# Altium PCB Fri3d_2026_DJ_01.PcbDoc (part 1 of 2)
Units mm, origin at the board's own origin, x right, y up, seen from the top; angles counter-clockwise.
Board outline 165 x 74 mm, 2 copper layers (Top Layer, Bottom Layer), stack 1.571 mm thick; 65 components, 57 nets, 282 pads, 145 vias.
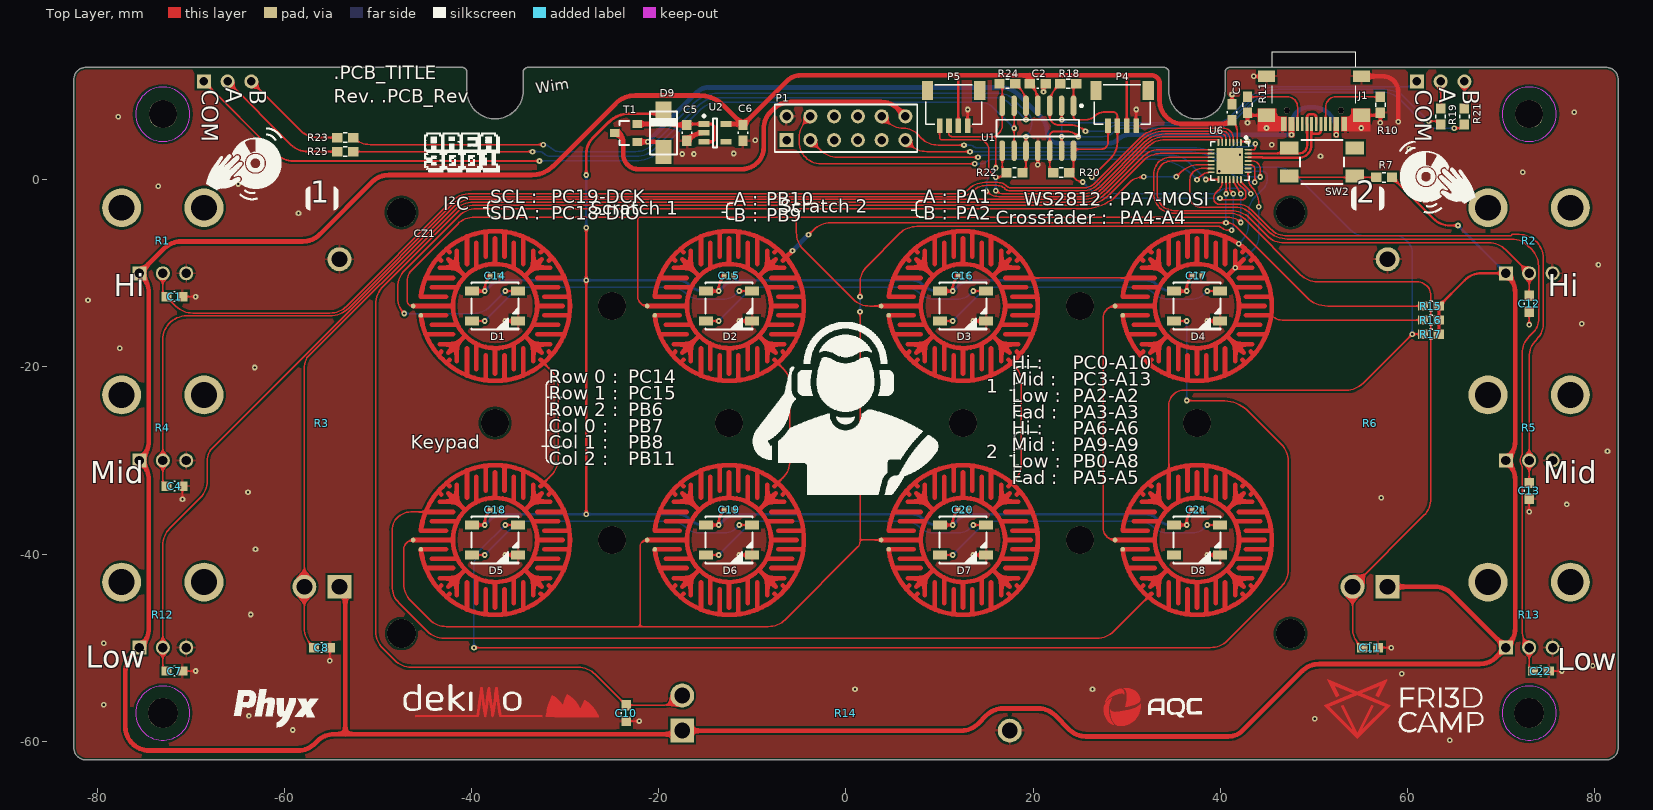
[diagram p0: Top Layer view]
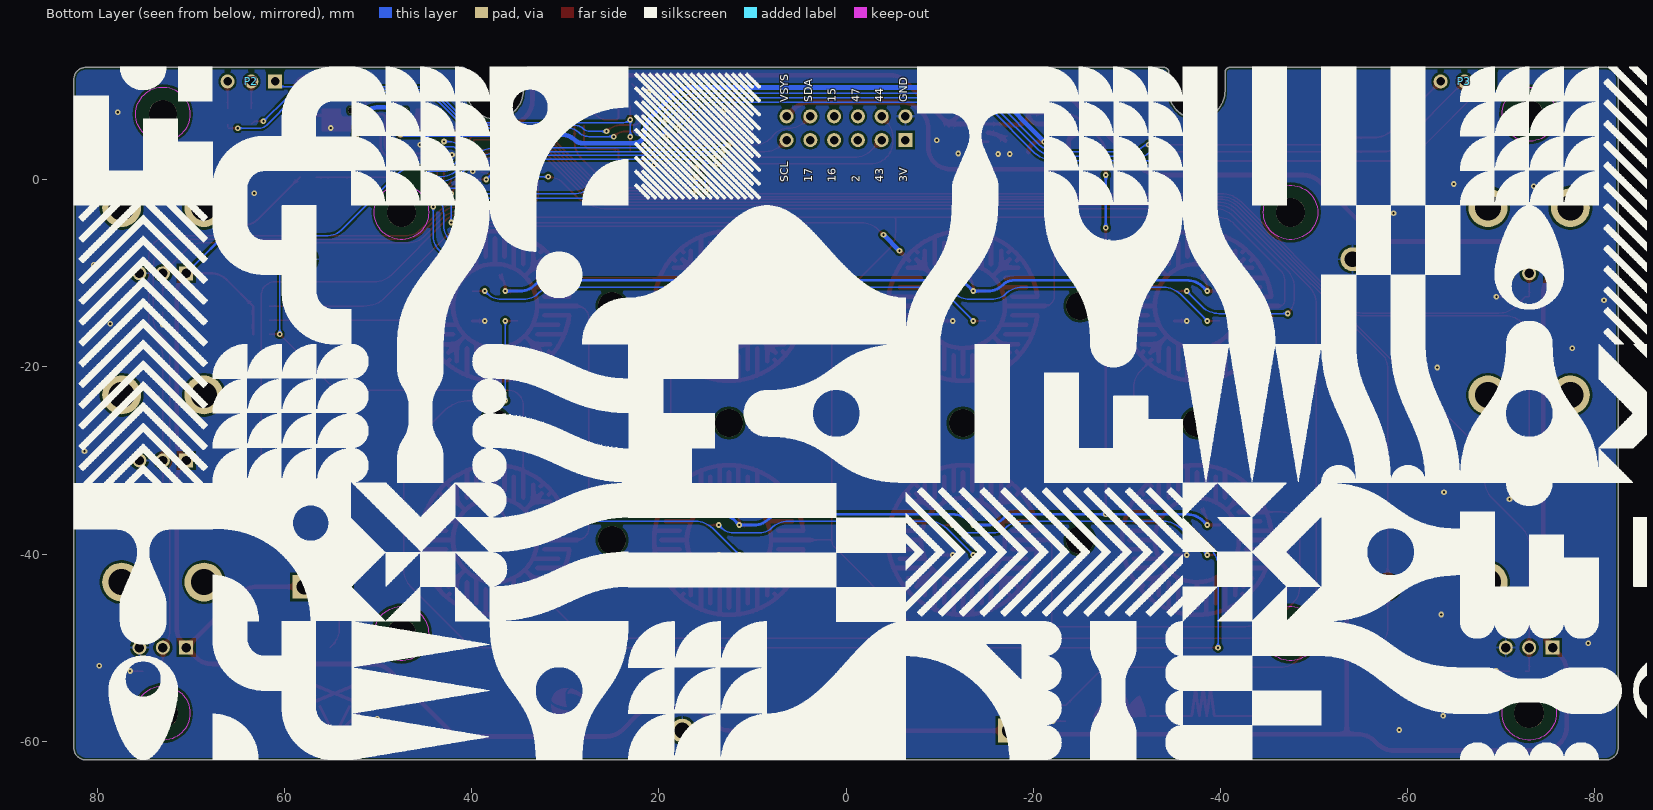
[diagram p1: Bottom Layer view, seen from below]

## Layer stack, top to bottom
Top Solder: solder mask 0.0102, Solder Resist, Dk 3.5
Top Layer: signal copper 0.0356
Dielectric1: core 1.5, FR-4, Dk 4.8
Bottom Layer: signal copper 0.0356
Bottom Solder: solder mask 0.0102, Solder Resist, Dk 3.5

## Board outline
-82.5,-60.73 ccw(c-81.23,-60.73) -81.23,-62 81.23,-62 ccw(c81.23,-60.73) 82.5,-60.73 82.5,10.73 ccw(c81.23,10.73) 81.23,12 41.022,12 ccw(c41.022,11.478) 40.5,11.478 40.5,9.5 cw(c37.5,9.5) 34.5,9.5 34.5,11.478 ccw(c33.978,11.478) 33.978,12 -33.978,12 ccw(c-33.978,11.478) -34.5,11.478 -34.5,9.5 cw(c-37.5,9.5) -40.5,9.5 -40.5,11.478 ccw(c-41.022,11.478) -41.022,12 -81.23,12 ccw(c-81.23,10.73) -82.5,10.73

## Design rules (kind name [scope] priority, off if disabled: settings)
BoardOutlineClearance [NOT OnLayer('Top Overlay') AND NOT OnLayer('Bottom Overlay') AND NOT IsText AND NOT HasFootprint('MicroBIT_V2_PCB') AND NOT IsKeepOut] p1: gap=0.5 ignorepadtopadclearanceinfootprint=FALSE except(0: Arc-SplitContinuation Track-SplitContinuation SMDPad-SplitContinuation THPad-SplitContinuation Via-SplitContinuation Fill-SplitContinuation Poly-SplitContinuation Region-SplitContinuation Text-SplitContinuation; 0.15: SMDPad-OutlineEdge THPad-OutlineEdge; 0.25: Poly-OutlineEdge Region-OutlineEdge; 0.3: Arc-OutlineEdge Track-OutlineEdge; 0.4: Via-OutlineEdge)
Clearance [All] p1: gap=0.15 ignorepadtopadclearanceinfootprint=FALSE except(0: Arc-Hole Track-Hole SMDPad-Hole THPad-Hole Via-Hole Fill-Hole Region-Hole Text-Hole; 0.25: Arc-Poly Track-Poly SMDPad-Poly THPad-Poly Via-Poly Fill-Poly Poly-Hole; 1.1: Poly-Poly)
ComponentClearance ComponentClearance_TP [HasFootprint('TP_2x3mm')] p1: gap=0 collisioncheckmode=3 verticalgap=0 showdistances=FALSE
ComponentClearance ComponentClearance_CO2 [InComponent('P5') OR InComponent('P8') OR InComponent('MOD2') vs InComponent('P5') OR InComponent('P8') OR InComponent('MOD2')] p2: gap=0 collisioncheckmode=3 verticalgap=0 showdistances=FALSE
ComponentClearance ComponentClearance_BAT [InComponent('P4')  OR InComponent('BAT1') OR InComponent('R27') vs InComponent('P4')  OR InComponent('BAT1') OR InComponent('R27')] p3: gap=0 collisioncheckmode=3 verticalgap=0 showdistances=FALSE
ComponentClearance ComponentClearance_R31-T5 [InComponent('R31') OR InComponent('T5') vs InComponent('R31') OR InComponent('T5')] p4: gap=0 collisioncheckmode=3 verticalgap=0 showdistances=FALSE
ComponentClearance "ComponentClearance_Selection resistors" [InComponent('R45') OR InComponent('R44') OR InComponent('R33') OR InComponent('R34') vs InComponent('R45') OR InComponent('R44') OR InComponent('R33') OR InComponent('R34')] p5: gap=0 collisioncheckmode=3 verticalgap=0 showdistances=FALSE
ComponentClearance ComponentClearance_T9-R4 [InComponent('R4') OR InComponent('T9') vs InComponent('R4') OR InComponent('T9')] p6: gap=0 collisioncheckmode=3 verticalgap=0 showdistances=FALSE
ComponentClearance ComponentClearance_IR [InComponent('D6') OR InComponent('D15') vs InComponent('D6') OR InComponent('D15')] p7: gap=0 collisioncheckmode=3 verticalgap=0 showdistances=FALSE
ComponentClearance [All] p8: gap=0.25 collisioncheckmode=3 verticalgap=0.25 showdistances=FALSE
DiffPairsRouting [All] p1: maxlimit=0.254 minlimit=0.2 mostfreqgap=0.2 toplayer_minwidth=0.25 toplayer_maxwidth=0.5 toplayer_prefwidth=0.25 bottomlayer_minwidth=0.25 bottomlayer_maxwidth=0.5 bottomlayer_prefwidth=0.25 maxuncoupledlength=12.7
HoleSize [All] p1: absolutevalues=TRUE maxlimit=20 minlimit=0.025 maxpercent=80.000 minpercent=20.000
NetAntennae [not InComponent('CZ1')] p1: netantennaetolerance=0
PolygonConnect PolygonConnect_VIA [IsVia] p1: connectstyle=Direct reliefconductorwidth=0.254 reliefentries=4 polygonreliefangle="90 Angle" airgapwidth=0.254
PolygonConnect [All] p2: connectstyle=Relief reliefconductorwidth=0.254 reliefentries=4 polygonreliefangle="90 Angle" airgapwidth=0.254
RoutingVias [All] p1: holewidth=0.3 width=0.7 viastyle="Through Hole" minholewidth=0.3 minwidth=0.2 maxholewidth=0.6 maxwidth=1.2
SilkToSolderMaskClearance SilkscreenOverComponentPads [IsPad] p1: minsilkscreentomaskgap=0.254 clearancetoexposedcopper=TRUE
SolderMaskExpansion [All] p1: expansion=0.05 istentingtop=FALSE
SupplyNets "Schematic Supply Nets_5" [InNet('VDJ')] p1: voltage=0.000
SupplyNets "Schematic Supply Nets" [InNet('+3V3')] p2: voltage=0.000
SupplyNets "Schematic Supply Nets_4" [InNet('VUSB')] p3: voltage=0.000
SupplyNets "Schematic Supply Nets_3" [InNet('VSYS')] p4: voltage=0.000
SupplyNets "Schematic Supply Nets_2" [InNet('GND')] p5: voltage=0.000
SupplyNets "Schematic Supply Nets_1" [InNet('3V3_AUX')] p6: voltage=0.000
Width [All] p1: maxlimit=5 minlimit=0.15 preferedwidth=0.25
25 further rules are at their usual default settings.

## Classes and differential pairs
net class POWER: 3V3_AUX GND VDJ VSYS VUSB
net class 90r: USB.D_n USB.D_p
differential pair USB.D: +USB.D_p -USB.D_n

## Components (designator, comment, footprint, x,y, rotation, side; value= is the part's Value field where it differs from the comment)
C1 "" C0603_N -71.75,-12.5 r0 top value="100pF 50V"
C2 "" C0603_N 20.5,10.25 r0 top value="100nF 16V"
C4 "" C0603_N -71.75,-32.75 r0 top value="100pF 50V"
C5 "" C0603_N -17,5 r270 top value="1uF 16V"
C6 "" C0603_N -11,5 r270 top value="1uF 16V"
C7 "" C0603_N -71.75,-52.5 r0 top value="100pF 50V"
C8 "" C0603_N -56,-50 r0 top value="100pF 50V"
C9 "" C0603_N 41.25,7.2 r90 top value="100nF 16V"
C10 "" C0603_N -23.5,-57 r270 top value="100pF 50V"
C11 "" C0603_N 56,-50 r0 top value="100pF 50V"
C12 "" C0603_N 73,-13.25 r270 top value="100pF 50V"
C13 "" C0603_N 73,-33.25 r270 top value="100pF 50V"
C14 "" C0402 -37.5,-10.25 r0 top value="1uF 10V"
C15 "" C0402 -12.5,-10.25 r0 top value="1uF 10V"
C16 "" C0402 12.5,-10.25 r0 top value="1uF 10V"
C17 "" C0402 37.5,-10.25 r0 top value="1uF 10V"
C18 "" C0402 -37.5,-35.25 r0 top value="1uF 10V"
C19 "" C0402 -12.5,-35.25 r0 top value="1uF 10V"
C20 "" C0402 12.5,-35.25 r0 top value="1uF 10V"
C21 "" C0402 37.5,-35.25 r0 top value="1uF 10V"
C22 "" C0603_N 74.25,-52.5 r0 top value="100pF 50V"
CZ1 "Campzone 2020 2x4 silicone keypad" CZ20_2x4 37.5,-38.5 r180 top locked value="CZ20 2x4"
D1 "WS2812 based digital RGB LED 5050 White package reduced current" LED_5050_WS2812B_WHITE -37.5,-13.5 r0 top value="WS218C 5050 WH"
D2 "WS2812 based digital RGB LED 5050 White package reduced current" LED_5050_WS2812B_WHITE -12.5,-13.5 r0 top value="WS218C 5050 WH"
D3 "WS2812 based digital RGB LED 5050 White package reduced current" LED_5050_WS2812B_WHITE 12.5,-13.5 r0 top value="WS218C 5050 WH"
D4 "WS2812 based digital RGB LED 5050 White package reduced current" LED_5050_WS2812B_WHITE 37.5,-13.5 r0 top value="WS218C 5050 WH"
D5 "WS2812 based digital RGB LED 5050 White package reduced current" LED_5050_WS2812B_WHITE -37.5,-38.5 r0 top value="WS218C 5050 WH"
D6 "WS2812 based digital RGB LED 5050 White package reduced current" LED_5050_WS2812B_WHITE -12.5,-38.5 r0 top value="WS218C 5050 WH"
D7 "WS2812 based digital RGB LED 5050 White package reduced current" LED_5050_WS2812B_WHITE 12.5,-38.5 r0 top value="WS218C 5050 WH"
D8 "WS2812 based digital RGB LED 5050 White package reduced current" LED_5050_WS2812B_WHITE 37.5,-38.5 r0 top value="WS218C 5050 WH"
D9 "40V 2A 550mV@2A DO-214 Schottky" DO-214AC_AC -19.5,5 r90 top value=SS24-MS
J1 "USB 2.0 C Reversible Receptacle Horizontal full SMD" XUNPU-TYPEC-304S-ACP16 50,8.5 r180 top value=TYPEC-304S-ACP16
P1 "Header 6X2" HDR2X6 -6.35,4.23 r0 top locked
P2 "Header 3" HDR1X3 61,10.5 r0 bottom
P3 "Header 3" HDR1X3 -68.62,10.5 r0 bottom
P4 "Header 1.0mm RA Shrouded 4" WE_665104131822 31,5.75 r180 top value=665104131822
P5 "Header 1.0mm RA Shrouded 4" WE_665104131822 13,5.75 r180 top value=665104131822
R1 "10kΩ Rotary Potentiometers" ALPS_RK09K1130AAU -73,-3 r0 top value=RK09K1130AAU
R2 "10kΩ Rotary Potentiometers" ALPS_RK09K1130AAU 73,-3 r0 top value=RK09K1130AAU
R3 "50kΩ Slide Potentiometers" ALPS_RS301111J00R -56,-26 r90 top value=RS301111J00R
R4 "10kΩ Rotary Potentiometers" ALPS_RK09K1130AAU -73,-23 r0 top value=RK09K1130AAU
R5 "10kΩ Rotary Potentiometers" ALPS_RK09K1130AAU 73,-23 r0 top value=RK09K1130AAU
R6 "50kΩ Slide Potentiometers" ALPS_RS301111J00R 56,-26 r90 top value=RS301111J00R
R7 "" R0603_N 57.5,0.25 r180 top value=10K
R10 "" R0603_N 57.1,8 r270 top value=5K1
R11 "" R0603_N 42.9,8 r270 top value=5K1
R12 "10kΩ Rotary Potentiometers" ALPS_RK09K1130AAU -73,-43 r0 top value=RK09K1130AAU
R13 "10kΩ Rotary Potentiometers" ALPS_RK09K1130AAU 73,-43 r0 top value=RK09K1130AAU
R14 "50kΩ Slide Potentiometers" ALPS_RS301111J00R 0,-57 r0 top value=RS301111J00R
R15 "" R0603_N 62.5,-13.5 r180 top value=10K
R16 "" R0603_N 62.5,-15 r180 top value=10K
R17 "" R0603_N 62.5,-16.5 r180 top value=10K
R18 "RESISTOR" R0603_N 23.75,10.25 r180 top value=47K
R19 "" R0603_N 63.54,6.75 r90 top value=1K
R20 "RESISTOR" R0603_N 23,0.75 r180 top value=47K
R21 "" R0603_N 66.08,6.75 r90 top value=1K
R22 "RESISTOR" R0603_N 18,0.75 r0 top value=47K
R23 "" R0603_N -53.5,4.5 r180 top value=1K
R24 "RESISTOR" R0603_N 17.25,10.25 r0 top value=47K
R25 "" R0603_N -53.5,3 r180 top value=1K
SW2 "4.5x4.5mm tact SMD H3,8mm" WE_430181038816 50.85,1.9 r180 top value=430181038816
T1 "-2.3A -20V P-Ch MOSFET Vgs -1V" SOT23-3 -23.5,5 r90 top value=SL2301
U1 "Quad, 30-V, 1-MHz operational amplifier" SOIC_N_14 20.5,5.5 r270 top value=LM324
U2 "3V3 LDO 300mA 150mV" SOT23-5 -14,5 r0 top value=RT9078-33GJ5
U6 "WCH CH32X035G8U6 QFN28 RISC-V 32-bit MCU, 62KB Flash, 10KB RAM, USB PD" QFN_28_4.0x4.0_P0.4 41,2 r270 top value=CH32X035G8U6

## Footprints (in the part's own frame and the unit in brackets; to place one, negate y for a bottom-side part, rotate by r counter-clockwise, add the part's x,y. Pads: shape width x height; smd on the part's side, far side on the other; paste and mask are expansions set on the pad)
ALPS_RK09K1130AAU [mm] "ALPS RK09K1130AAU variable resistor"
  rect 1.5x1.5 hole 1: 1(-2.5,-7)
  round 1.5 hole 1: 2(0,-7) 3(2.5,-7)
  round 4.155 hole 2.77: MH(-4.4,0) MH(4.4,0)
  body extent -5.7,-7.15 5.7,5.5, height 19.95
ALPS_RS301111J00R [mm] "ALPS RS301111J00R variable resistor"
  rect 2.55x2.55 hole 1.7: 1(-17.5,-1.875)
  round 2.55 hole 1.7: 2(-17.5,1.875) 3(17.5,-1.875)
  body extent -22.5,-4 22.5,4, height 12.7
C0402 [mm]
  rect 0.5x0.6 smd: 1(-0.5,0) 2(0.5,0)
  silkscreen extent -0.1,-0.3 0.1,0.3, body extent -0.5,-0.25 0.5,0.25, height 0.5
C0603_N [mm] "Low density"
  rect 1.1x1 smd: 1(-0.85,0) 2(0.85,0)
  silkscreen extent -0.1,-0.5 0.1,0.5, body extent -0.8,-0.4 0.8,0.4, height 0.3
CZ20_2x4 [mm] "CampZone 2020 Keypad"
  round 3.1 hole 3.1 unplated: 0(-10,10) 0(-10,-35) 0(85,10) 0(85,-35)
  round 3 hole 3 unplated: 0(0,-12.5) 0(12.5,0) 0(12.5,-25) 0(25,-12.5) 0(50,-12.5) 0(62.5,0) 0(62.5,-25) 0(75,-12.5)
  round 0.5 smd paste-2539.97 mask+0.102: 1(8.75,0) 2(7.927,1) 3(33.75,0) 4(32.927,1) 5(58.75,0) 6(57.927,1) 7(83.75,0) 8(82.927,1) 9(8.75,-25) 10(7.927,-24) 11(33.75,-25) 12(32.927,-24) 13(58.75,-25) 14(57.927,-24) 15(83.75,-25) 16(82.927,-24)
  Top Layer circle w0.5: c0,0 r4.5
  Top Layer circle w0.5: c25,0 r4.5
  Top Layer circle w0.5: c50,0 r4.5
  Top Layer circle w0.5: c75,0 r4.5
  Top Layer circle w0.5: c0,-25 r4.5
  Top Layer circle w0.5: c25,-25 r4.5
  Top Layer circle w0.5: c50,-25 r4.5
  Top Layer circle w0.5: c75,-25 r4.5
  Top Layer lines w0.5: 83.75,0 79.5,0 ; 83.75,-25 79.5,-25 ; 82.937,1.001 ccw(c75,0) 82.937,-1.001 ; 82.937,-23.999 ccw(c75,-25) 82.937,-26.001 ; 82.927,1 80.25,1 ; 82.927,-1 80.25,-1 ; 82.927,-24 80.25,-24 ; 82.927,-26 80.25,-26 ; 82.425,3 79.5,3 ; 82.425,-3 79.5,-3 ; 82.425,-22 79.5,-22 ; 82.425,-28 79.5,-28 ; 81.75,2 79.041,2 ; 81.75,-2 79.041,-2 ; 81.75,-23 79.041,-23 ; 81.75,-27 79.041,-27 ; 81.083,5.195 80.75,4.862 ; 81.083,-5.195 80.75,-4.862 ; 81.083,-19.805 80.75,-20.138 ; 81.083,-30.195 80.75,-29.862 ; 80.909,4.091 79.091,4.091 79.091,5.909 ; 80.909,-4.091 79.091,-4.091 79.091,-5.909 ; 80.909,-20.909 79.091,-20.909 79.091,-19.091 ; 80.909,-29.091 79.091,-29.091 79.091,-30.909 ; 80.195,6.083 79.862,5.75 ; 80.195,-6.083 79.862,-5.75 ; 80.195,-18.917 79.862,-19.25 ; 80.195,-31.083 79.862,-30.75 ; 80,5 78.182,3.182 ; 80,-5 78.182,-3.182 ; 80,-20 78.182,-21.818 ; 80,-30 78.182,-28.182 ; 78,7.425 78,4.5 ; 78,-4.5 78,-7.425 ; 78,-17.575 78,-20.5 ; 78,-29.5 78,-32.425 ; 77,6.75 77,4.041 ; 77,-4.041 77,-6.75 ; 77,-18.25 77,-20.959 ; 77,-29.041 77,-31.75 ; 76,7.927 76,5.25 ; 76,-5.25 76,-7.927 ; 76,-17.073 76,-19.75 ; 76,-30.25 76,-32.927 ; 75,7.25 75,4.5 ; 75,-4.5 75,-7.25 ; 75,-17.75 75,-20.5 ; 75,-29.5 75,-32.25 ; 74,7.927 74,5.25 ; 74,-5.25 74,-7.927 ; 74,-17.073 74,-19.75 ; 74,-30.25 74,-32.927 ; 73,6.75 73,4.041 ; 73,-4.041 73,-6.75 ; 73,-18.25 73,-20.959 ; 73,-29.041 73,-31.75 ; 72,7.425 72,4.5 ; 72,-4.5 72,-7.425 ; 72,-17.575 72,-20.5 ; 72,-29.5 72,-32.425 ; 71.818,3.182 70,5 ; 71.818,-3.182 70,-5 ; 71.818,-21.818 70,-20 ; 71.818,-28.182 70,-30 ; 70.959,2 68.25,2 ; 70.959,-2 68.25,-2 ; 70.959,-23 68.25,-23 ; 70.959,-27 68.25,-27 ; 70.909,5.909 70.909,4.091 69.091,4.091 ; 70.909,-5.909 70.909,-4.091 69.091,-4.091 ; 70.909,-19.091 70.909,-20.909 69.091,-20.909 ; 70.909,-30.909 70.909,-29.091 69.091,-29.091 ; 70.5,3 67.575,3 ; 70.5,0 67.75,0 ; 70.5,-3 67.575,-3 ; 70.5,-22 67.575,-22 ; 70.5,-25 67.75,-25 ; 70.5,-28 67.575,-28 ; 70.138,5.75 69.805,6.083 ; 70.138,-5.75 69.805,-6.083 ; 70.138,-19.25 69.805,-18.917 ; 70.138,-30.75 69.805,-31.083 ; 69.75,1 67.073,1 ; 69.75,-1 67.073,-1 ; 69.75,-24 67.073,-24 ; 69.75,-26 67.073,-26 ; 69.25,4.862 68.917,5.195 ; 69.25,-4.862 68.917,-5.195 ; 69.25,-20.138 68.917,-19.805 ; 69.25,-29.862 68.917,-30.195 ; 58.75,0 54.5,0 ; 58.75,-25 54.5,-25 ; 57.937,1.001 ccw(c50,0) 57.937,-1.001 ; 57.937,-23.999 ccw(c50,-25) 57.937,-26.001 ; 57.927,1 55.25,1 ; 57.927,-1 55.25,-1 ; 57.927,-24 55.25,-24 ; 57.927,-26 55.25,-26 ; 57.425,3 54.5,3 ; 57.425,-3 54.5,-3 ; 57.425,-22 54.5,-22 ; 57.425,-28 54.5,-28 ; 56.75,2 54.041,2 ; 56.75,-2 54.041,-2 ; 56.75,-23 54.041,-23 ; 56.75,-27 54.041,-27 ; 56.083,5.195 55.75,4.862 ; 56.083,-5.195 55.75,-4.862 ; 56.083,-19.805 55.75,-20.138 ; 56.083,-30.195 55.75,-29.862 ; 55.909,4.091 54.091,4.091 54.091,5.909 ; 55.909,-4.091 54.091,-4.091 54.091,-5.909 ; 55.909,-20.909 54.091,-20.909 54.091,-19.091 ; 55.909,-29.091 54.091,-29.091 54.091,-30.909 ; 55.195,6.083 54.862,5.75 ; 55.195,-6.083 54.862,-5.75 ; 55.195,-18.917 54.862,-19.25 ; 55.195,-31.083 54.862,-30.75 ; 55,5 53.182,3.182 ; 55,-5 53.182,-3.182 ; 55,-20 53.182,-21.818 ; 55,-30 53.182,-28.182 ; 53,7.425 53,4.5 ; 53,-4.5 53,-7.425 ; 53,-17.575 53,-20.5 ; 53,-29.5 53,-32.425 ; 52,6.75 52,4.041 ; 52,-4.041 52,-6.75 ; 52,-18.25 52,-20.959 ; 52,-29.041 52,-31.75 ; 51,7.927 51,5.25 ; 51,-5.25 51,-7.927 ; 51,-17.073 51,-19.75 ; 51,-30.25 51,-32.927 ; 50,7.25 50,4.5 ; 50,-4.5 50,-7.25 ; 50,-17.75 50,-20.5 ; 50,-29.5 50,-32.25 ; 49,7.927 49,5.25 ; 49,-5.25 49,-7.927 ; 49,-17.073 49,-19.75 ; 49,-30.25 49,-32.927 ; 48,6.75 48,4.041 ; 48,-4.041 48,-6.75 ; 48,-18.25 48,-20.959 ; 48,-29.041 48,-31.75 ; 47,7.425 47,4.5 ; 47,-4.5 47,-7.425 ; 47,-17.575 47,-20.5 ; 47,-29.5 47,-32.425 ; 46.818,3.182 45,5 ; 46.818,-3.182 45,-5 ; 46.818,-21.818 45,-20 ; 46.818,-28.182 45,-30 ; 45.959,2 43.25,2 ; 45.959,-2 43.25,-2 ; 45.959,-23 43.25,-23 ; 45.959,-27 43.25,-27 ; 45.909,5.909 45.909,4.091 44.091,4.091 ; 45.909,-5.909 45.909,-4.091 44.091,-4.091 ; 45.909,-19.091 45.909,-20.909 44.091,-20.909 ; 45.909,-30.909 45.909,-29.091 44.091,-29.091 ; 45.5,3 42.575,3 ; 45.5,0 42.75,0 ; 45.5,-3 42.575,-3 ; 45.5,-22 42.575,-22 ; 45.5,-25 42.75,-25 ; 45.5,-28 42.575,-28 ; 45.138,5.75 44.805,6.083 ; 45.138,-5.75 44.805,-6.083 ; 45.138,-19.25 44.805,-18.917 ; 45.138,-30.75 44.805,-31.083 ; 44.75,1 42.073,1 ; 44.75,-1 42.073,-1 ; 44.75,-24 42.073,-24 ; 44.75,-26 42.073,-26 ; 44.25,4.862 43.917,5.195 ; 44.25,-4.862 43.917,-5.195 ; 44.25,-20.138 43.917,-19.805 ; 44.25,-29.862 43.917,-30.195 ; 33.75,0 29.5,0 ; 33.75,-25 29.5,-25 ; 32.937,1.001 ccw(c25,0) 32.416,3 ; 32.937,-1.001 cw(c25,0) 32.416,-3 ; 32.937,-23.999 ccw(c25,-25) 32.416,-22 ; 32.937,-26.001 cw(c25,-25) 32.416,-28 ; 32.927,1 30.25,1 ; 32.927,-1 30.25,-1 ; 32.927,-24 30.25,-24 ; 32.927,-26 30.25,-26 ; 32.425,3 32.416,3 ; 32.425,-3 32.416,-3 ; 32.425,-22 32.416,-22 ; 32.425,-28 32.416,-28 ; 31.75,2 29.041,2 ; 31.75,-2 29.041,-2 ; 31.75,-23 29.041,-23 ; 31.75,-27 29.041,-27 ; 30.909,4.091 29.091,4.091 29.091,5.909 ; 30.909,-4.091 29.091,-4.091 29.091,-5.909 ; 30.909,-20.909 29.091,-20.909 29.091,-19.091 ; 30.909,-29.091 29.091,-29.091 29.091,-30.909 ; 30.75,4.862 31.083,5.195 ; 30.75,-4.862 31.083,-5.195 ; 30.75,-20.138 31.083,-19.805 ; 30.75,-29.862 31.083,-30.195 ; 30,5 28.182,3.182 ; 30,-5 28.182,-3.182 ; 30,-20 28.182,-21.818 ; 30,-30 28.182,-28.182 ; 29.862,5.75 30.195,6.083 ; 29.862,-5.75 30.195,-6.083 ; 29.862,-19.25 30.195,-18.917 ; 29.862,-30.75 30.195,-31.083 ; 29.5,3 32.416,3 ; 29.5,-3 32.416,-3 ; 29.5,-22 32.416,-22 ; 29.5,-28 32.416,-28 ; 28,7.425 28,7.416 ; 28,4.5 28,7.416 ; 28,-4.5 28,-7.416 ; 28,-7.425 28,-7.416 ; 28,-17.575 28,-17.584 ; 28,-20.5 28,-17.584 ; 28,-29.5 28,-32.416 ; 28,-32.425 28,-32.416 ; 27,6.75 27,4.041 ; 27,-4.041 27,-6.75 ; 27,-18.25 27,-20.959 ; 27,-29.041 27,-31.75 ; 26,7.927 26,5.25 ; 26,-5.25 26,-7.927 ; 26,-17.073 26,-19.75 ; 26,-30.25 26,-32.927 ; 25,7.25 25,4.5 ; 25,-4.5 25,-7.25 ; 25,-17.75 25,-20.5 ; 25,-29.5 25,-32.25 ; 24,7.927 24,5.25 ; 24,-5.25 24,-7.927 ; 24,-17.073 24,-19.75 ; 24,-30.25 24,-32.927 ; 23,6.75 23,4.041 ; 23,-4.041 23,-6.75 ; 23,-18.25 23,-20.959 ; 23,-29.041 23,-31.75 ; 22,7.425 22,7.416 ; 22,4.5 22,7.416 ; 22,-4.5 22,-7.416 ; 22,-7.425 22,-7.416 ; 22,-17.575 22,-17.584 ; 22,-20.5 22,-17.584 ; 22,-29.5 22,-32.416 ; 22,-32.425 22,-32.416 ; 21.818,3.182 20,5 ; 21.818,-3.182 20,-5 ; 21.818,-21.818 20,-20 ; 21.818,-28.182 20,-30 ; 20.959,2 18.25,2 ; 20.959,-2 18.25,-2 ; 20.959,-23 18.25,-23 ; 20.959,-27 18.25,-27 ; 20.909,5.909 20.909,4.091 19.091,4.091 ; 20.909,-5.909 20.909,-4.091 19.091,-4.091 ; 20.909,-19.091 20.909,-20.909 19.091,-20.909 ; 20.909,-30.909 20.909,-29.091 19.091,-29.091 ; 20.5,3 17.584,3 ; 20.5,0 17.75,0 ; 20.5,-3 17.584,-3 ; 20.5,-22 17.584,-22 ; 20.5,-25 17.75,-25 ; 20.5,-28 17.584,-28 ; 20.138,5.75 19.805,6.083 ; 20.138,-5.75 19.805,-6.083 ; 20.138,-19.25 19.805,-18.917 ; 20.138,-30.75 19.805,-31.083 ; 19.75,1 17.073,1 ; 19.75,-1 17.073,-1 ; 19.75,-24 17.073,-24 ; 19.75,-26 17.073,-26 ; 19.25,4.862 18.917,5.195 ; 19.25,-4.862 18.917,-5.195 ; 19.25,-20.138 18.917,-19.805 ; 19.25,-29.862 18.917,-30.195 ; 17.575,3 17.584,3 ; 17.575,-3 17.584,-3 ; 17.575,-22 17.584,-22 ; 17.575,-28 17.584,-28 ; 8.75,0 4.5,0 ; 8.75,-25 4.5,-25 ; 7.937,1.001 ccw(c0,0) 7.937,-1.001 ; 7.937,-23.999 ccw(c0,-25) 7.416,-22 ; 7.937,-26.001 cw(c0,-25) 7.416,-28 ; 7.927,1 5.25,1 ; 7.927,-1 5.25,-1 ; 7.927,-24 5.25,-24 ; 7.927,-26 5.25,-26 ; 7.425,3 4.5,3 ; 7.425,-3 4.5,-3 ; 7.425,-22 7.416,-22 ; 7.425,-28 7.416,-28 ; 6.75,2 4.041,2 ; 6.75,-2 4.041,-2 ; 6.75,-23 4.041,-23 ; 6.75,-27 4.041,-27 ; 6.083,5.195 5.75,4.862 ; 6.083,-5.195 5.75,-4.862 ; 5.909,4.091 4.091,4.091 4.091,5.909 ; 5.909,-4.091 4.091,-4.091 4.091,-5.909 ; 5.909,-20.909 4.091,-20.909 4.091,-19.091 ; 5.909,-29.091 4.091,-29.091 4.091,-30.909 ; 5.75,-20.138 6.083,-19.805 ; 5.75,-29.862 6.083,-30.195 ; 5.195,6.083 4.862,5.75 ; 5.195,-6.083 4.862,-5.75 ; 5,5 3.182,3.182 ; 5,-5 3.182,-3.182 ; 5,-20 3.182,-21.818 ; 5,-30 3.182,-28.182 ; 4.862,-19.25 5.195,-18.917 ; 4.862,-30.75 5.195,-31.083 ; 4.5,-22 7.416,-22 ; 4.5,-28 7.416,-28 ; 3,7.425 3,4.5 ; 3,-4.5 3,-7.425 ; 3,-17.575 3,-17.584 ; 3,-20.5 3,-17.584 ; 3,-29.5 3,-32.416 ; 3,-32.425 3,-32.416 ; 2,6.75 2,4.041 ; 2,-4.041 2,-6.75 ; 2,-18.25 2,-20.959 ; 2,-29.041 2,-31.75 ; 1,7.927 1,5.25 ; 1,-5.25 1,-7.927 ; 1,-17.073 1,-19.75 ; 1,-30.25 1,-32.927 ; 0,7.25 0,4.5 ; 0,-4.5 0,-7.25 ; 0,-17.75 0,-20.5 ; 0,-29.5 0,-32.25 ; -1,7.927 -1,5.25 ; -1,-5.25 -1,-7.927 ; -1,-17.073 -1,-19.75 ; -1,-30.25 -1,-32.927 ; -2,6.75 -2,4.041 ; -2,-4.041 -2,-6.75 ; -2,-18.25 -2,-20.959 ; -2,-29.041 -2,-31.75 ; -3,7.425 -3,4.5 ; -3,-4.5 -3,-7.425 ; -3,-17.575 -3,-17.584 ; -3,-20.5 -3,-17.584 ; -3,-29.5 -3,-32.416 ; -3,-32.425 -3,-32.416 ; -3.182,3.182 -5,5 ; -3.182,-3.182 -5,-5 ; -3.182,-21.818 -5,-20 ; -3.182,-28.182 -5,-30 ; -4.041,2 -6.75,2 ; -4.041,-2 -6.75,-2 ; -4.041,-23 -6.75,-23 ; -4.041,-27 -6.75,-27 ; -4.091,5.909 -4.091,4.091 -5.909,4.091 ; -4.091,-5.909 -4.091,-4.091 -5.909,-4.091 ; -4.091,-19.091 -4.091,-20.909 -5.909,-20.909 ; -4.091,-30.909 -4.091,-29.091 -5.909,-29.091 ; -4.5,3 -7.425,3 ; -4.5,0 -7.25,0 ; -4.5,-3 -7.425,-3 ; -4.5,-22 -7.416,-22 ; -4.5,-25 -7.25,-25 ; -4.5,-28 -7.416,-28 ; -4.862,5.75 -5.195,6.083 ; -4.862,-5.75 -5.195,-6.083 ; -4.862,-19.25 -5.195,-18.917 ; -4.862,-30.75 -5.195,-31.083 ; -5.25,1 -7.927,1 ; -5.25,-1 -7.927,-1 ; -5.25,-24 -7.927,-24 ; -5.25,-26 -7.927,-26 ; -5.75,4.862 -6.083,5.195 ; -5.75,-4.862 -6.083,-5.195 ; -5.75,-20.138 -6.083,-19.805 ; -5.75,-29.862 -6.083,-30.195 ; -7.425,-22 -7.416,-22 ; -7.425,-28 -7.416,-28 ; 32.416,3 ccw(c25,0) 31.083,5.195 ; 32.416,-3 cw(c25,0) 31.083,-5.195 ; 32.416,-22 ccw(c25,-25) 31.083,-19.805 ; 32.416,-28 cw(c25,-25) 31.083,-30.195 ; 31.083,5.195 ccw(c25,0) 30.195,6.083 ; 31.083,-5.195 cw(c25,0) 30.195,-6.083 ; 31.083,-19.805 ccw(c25,-25) 30.195,-18.917 ; 31.083,-30.195 cw(c25,-25) 30.195,-31.083 ; 31.083,-30.195 31.083,-30.195 ; 30.195,6.083 ccw(c25,0) 28,7.416 ; 30.195,-6.083 cw(c25,0) 28,-7.416 ; 30.195,-18.917 ccw(c25,-25) 28,-17.584 ; 30.195,-31.083 cw(c25,-25) 28,-32.416 ; 30.195,-31.083 30.195,-31.083 ; 28,7.416 ccw(c25,0) 22,7.416 ; 28,-7.416 cw(c25,0) 22,-7.416 ; 28,-17.584 ccw(c25,-25) 22,-17.584 ; 28,-32.416 cw(c25,-25) 22,-32.416 ; 22,7.416 ccw(c25,0) 19.805,6.083 ; 22,-7.416 cw(c25,0) 19.805,-6.083 ; 22,-17.584 ccw(c25,-25) 19.805,-18.917 ; 22,-32.416 cw(c25,-25) 19.805,-31.083 ; 19.805,6.083 ccw(c25,0) 18.917,5.195 ; 19.805,-6.083 cw(c25,0) 18.917,-5.195 ; 19.805,-18.917 ccw(c25,-25) 18.917,-19.805 ; 19.805,-31.083 cw(c25,-25) 18.917,-30.195 ; 18.917,5.195 ccw(c25,0) 17.584,3 ; 18.917,-5.195 cw(c25,0) 17.584,-3 ; 18.917,-19.805 ccw(c25,-25) 17.584,-22 ; 18.917,-30.195 cw(c25,-25) 17.584,-28 ; 17.584,3 ccw(c25,0) 17.584,-3 ; 17.584,-22 ccw(c25,-25) 17.584,-28 ; 7.416,-22 ccw(c0,-25) 6.083,-19.805 ; 7.416,-28 cw(c0,-25) 6.083,-30.195 ; 6.083,-19.805 ccw(c0,-25) 5.195,-18.917 ; 6.083,-30.195 cw(c0,-25) 5.195,-31.083 ; 5.195,-18.917 ccw(c0,-25) 3,-17.584 ; 5.195,-31.083 cw(c0,-25) 3,-32.416 ; 5.195,-31.083 5.195,-31.083 ; 3,-17.584 ccw(c0,-25) -3,-17.584 ; 3,-32.416 cw(c0,-25) -3,-32.416 ; -3,-17.584 ccw(c0,-25) -5.195,-18.917 ; -3,-32.416 cw(c0,-25) -5.195,-31.083 ; -5.195,-18.917 ccw(c0,-25) -6.083,-19.805 ; -5.195,-31.083 cw(c0,-25) -6.083,-30.195 ; -5.195,-31.083 -5.195,-31.083 ; -6.083,-19.805 ccw(c0,-25) -7.416,-22 ; -6.083,-30.195 cw(c0,-25) -7.416,-28 ; -6.083,-30.195 -6.083,-30.195 ; -7.416,-22 ccw(c0,-25) -7.936,-23.991 ccw(c0,-25) -7.416,-28
  body extent -12.5,-37.5 87.5,12.5, height 8.7
DO-214AC_AC [mm] "DO-214AC or SMA footprint with A and C pads"
  rect 2.6x1.7 smd: A(-2.05,0) C(2.05,0)
  silkscreen extent -2.3,-1.45 2.3,1.45, body extent -2.6,-1.3 2.6,1.3, height 2.3
HDR1X3 [mm] "Connector; Header; 3 Position"
  rect 1.5x1.5 hole 0.9: 1(0,0)
  round 1.5 hole 0.9: 2(2.54,0) 3(5.08,0)
  body extent -1.27,-1.23 6.35,1.27, height 8.2
HDR2X6 [mm] "Connector; Header; 6x2 Position"
  rect 1.5x1.5 hole 0.9: 1(0,0)
  round 1.5 hole 0.9: 2(0,2.54) 3(2.54,0) 4(2.54,2.54) 5(5.08,0) 6(5.08,2.54) 7(7.62,0) 8(7.62,2.54) 9(10.16,0) 10(10.16,2.54) 11(12.7,0) 12(12.7,2.54)
  silkscreen extent -1.27,-1.27 13.97,3.81, body extent -1.27,-1.27 13.97,3.81, height 8.5
LED_5050_WS2812B_WHITE [mm] "5050 RGB LED WS2812B WHITE"
  rect 1.5x1 smd: 1(-2.45,1.6) 2(-2.45,-1.6) 3(2.45,-1.6) 4(2.45,1.6)
  silkscreen extent -2.5,-2.5 2.5,2.5, body extent -2.7,-2.5 2.7,2.5, height 1.6
QFN_28_4.0x4.0_P0.4 [mm]
  oval 0.75x0.2 smd: 1(-1.975,1.2) 2(-1.975,0.8) 3(-1.975,0.4) 4(-1.975,0) 5(-1.975,-0.4) 6(-1.975,-0.8) 7(-1.975,-1.2) 15(1.975,-1.2) 16(1.975,-0.8) 17(1.975,-0.4) 18(1.975,0) 19(1.975,0.4) 20(1.975,0.8) 21(1.975,1.2)
  oval 0.2x0.75 smd: 8(-1.2,-1.975) 9(-0.8,-1.975) 10(-0.4,-1.975) 11(0,-1.975) 12(0.4,-1.975) 13(0.8,-1.975) 14(1.2,-1.975) 22(1.2,1.975) 23(0.8,1.975) 24(0.4,1.975) 25(0,1.975) 26(-0.4,1.975) 27(-0.8,1.975) 28(-1.2,1.975)
  rect 2.8x2.8 smd paste-2539.97: 29(0,0)
  silkscreen extent -2.62,-2.05 2.07,2.07, body extent -2.07,-2.07 2.07,2.07, height 0.8
R0603_N [mm] "Low density"
  rect 1.1x1 smd: 1(-0.85,0) 2(0.85,0)
  silkscreen extent -0.2,-0.5 0.2,0.5, body extent -0.8,-0.41 0.8,0.41, height 0.45
SOIC_N_14 [mm] "150 mil body width"
  oval 2.2x0.6 smd: 1(-2.4,3.81) 2(-2.4,2.54) 3(-2.4,1.27) 4(-2.4,0) 5(-2.4,-1.27) 6(-2.4,-2.54) 7(-2.4,-3.81) 8(2.4,-3.81) 9(2.4,-2.54) 10(2.4,-1.27) 11(2.4,0) 12(2.4,1.27) 13(2.4,2.54) 14(2.4,3.81)
  silkscreen extent -2.52,-4.41 0.9,4.79, body extent -3,-4.37 3,4.38, height 1.75
SOT23-3 [mm] "SOT-23; 3 Leads; Body 3.1 x 2.5 mm, inc. leads (LxW max)"
  rect 0.85x1 smd: 1(-0.95,-1.2) 2(0.95,-1.2) 3(0,1.2)
  silkscreen extent -1.27,-0.3 1.28,0.7, body extent -1.5,-1.32 1.5,1.32, height 1.08
SOT23-5 [mm] "SOT23, 5-Leads, Body 3,1x3,2mm (max), Pitch 0,95mm, IPC Medium Density"
  rect 1.15x0.6 smd: 1(-1.175,0.95) 2(-1.175,0) 3(-1.175,-0.95) 4(1.175,-0.95) 5(1.175,0.95)
  silkscreen extent -1.3,-1.55 0.2,1.92, body extent -1.4,-1.45 1.4,1.45, height 1.45
WE_430181038816 [mm] "Miniature SMD TACT SW"
  rect 2x1.4 smd: 1(-3.5,1.5) 1(3.5,1.5) 2(-3.5,-1.5) 2(3.5,-1.5)
  silkscreen extent -2.35,-2.35 2.35,2.35, body extent -3.75,-2.25 3.75,2.25, height 3.8
WE_665104131822 [mm]
  rect 0.6x1.55 smd: 1(0,0) 2(1,0) 3(2,0) 4(3,0)
  rect 1.2x2 smd: Z1(-1.3,-3.775) Z2(4.3,-3.775)
  silkscreen extent -1.5,-4.4 4.5,-0.15, body extent -1.5,-4.4 4.5,0.55, height 2.95
XUNPU-TYPEC-304S-ACP16 [mm] "USB C Connector SMD"
  round 0.65 hole 0.65 unplated: 0(-2.89,1.102) 0(2.89,1.102)
  rect 0.3x1.45 smd: A1(-3.375,2.548) A4(-2.55,2.548) A5(-1.25,2.547) A6(-0.25,2.548) A7(0.25,2.548) A8(1.25,2.547) A9(2.55,2.548) A12(3.375,2.548) B1(3.075,2.548) B4(2.25,2.548) B5(1.75,2.548) B6(0.75,2.548) B7(-0.75,2.548) B8(-1.75,2.547) B9(-2.25,2.548) B12(-3.075,2.548)
  rect 1.8x1.45 smd: MH1(-5.07,1.632) MH4(5.07,1.632)
  rect 1.8x1.2 smd: MH2(-5.07,-2.548) MH3(5.07,-2.548)
  silkscreen extent -4.47,-5.15 4.47,0.35, body extent -4.5,-5.15 4.44,2.75, height 3.26

## Part data
C1 C4 C7 C8 C10 C11 C12 C13 C22: library part "CAP # 100pF 50V 0603", "Capacitor Ceramic", Supplier Part Number 1=C344186, Supplier 1=LCSC, Supplier 2=LCSC, Supplier 3=Generic, Supplier Part Number 2=C14665, Supplier Part Number 3="100pF 50V 0603"
C2 C9: library part "CAP # 100nF 16V 0603", "Capacitor Ceramic", Supplier Part Number 1=C282519, Supplier 1=LCSC, Supplier 3=Generic, Supplier Part Number 3="100nF 16V 0603 X7R"
C5 C6: library part "CAP # 1uF 16V 0603", "Capacitor Ceramic", Supplier Part Number 1=2320814, Supplier 1=Farnell, Supplier 2=LCSC, Supplier 3=Generic, Supplier Part Number 2=C1592, Supplier Part Number 3="1uF 16V 0603 X7R"
C14 C15 C16 C17 C18 C19 C20 C21: library part "CAP # 1uF 10V 0402", "Capacitor Ceramic", Supplier Part Number 1=C380293, Supplier 1=LCSC, Supplier 3=Generic, Supplier Part Number 3="1uF 10V 0402 X5R"
CZ1: library part "SW # CZ20 2x4", Supplier 1=STOCK
D1 D2 D3 D4 D5 D6 D7 D8: library part "LED # RGB WS2812C-5050 WH", "=Description", Supplier Part Number 1="WS2812C Black 5050", Supplier 1=Aliexpress, Supplier 2=LCSC, Supplier Part Number 2=C114587
D9: library part "Schottky # SS24-MS", "=Description", Supplier Part Number 1=C2836395, Supplier 1=LCSC
J1: library part "USB # C 2.0 RCPT TYPEC-304S-ACP16", Supplier Part Number 1=C5187472, Supplier 1=LCSC, Supplier 2=LCSC, Supplier 3=LCSC, Supplier Part Number 2=C2927040, Supplier Part Number 3=C5156603
P1: library part "Pin Header 2.54mm dual row 12way"
P2 P3: library part "Pin Header 2.54mm 3way", Supplier Part Number 1=C429954, Supplier 1=LCSC, Supplier 2=LCSC, Supplier Part Number 2=C49257
P4 P5: library part "HDR # RA SHR 1.0mm 4way - 665104131822", Supplier Part Number 1=665104131822, Supplier 1=Wurth, Supplier 2=Mouser, Supplier 3=LCSC, Supplier Part Number 2=710-665104131822, Supplier Part Number 3=C2905006
R1 R2 R4 R5 R12 R13: library part "RES VAR POT 10k RK09K1130AAU", Supplier Part Number 1=C202373, Supplier 1=LCSC, Supplier 2=Mouser, Supplier Part Number 2=688-RK09K1130AAU
R3 R6 R14: library part "RES VAR SLIDE 50k RS301111J00R", Supplier Part Number 1=C361172, Supplier 1=LCSC
R7 R15 R16 R17: library part "RES # 10K 0603", Supplier Part Number 1=2502397, Supplier 1=Farnell, Supplier 2=LCSC, Supplier 3=Generic, Supplier Part Number 2=C25804, Supplier Part Number 3="10K 1% 0603"
R10 R11: library part "RES # 5K1 0603", Supplier Part Number 1=2845922, Supplier 1=Farnell, Supplier 2=LCSC, Supplier 3=Generic, Supplier Part Number 2=C112314, Supplier Part Number 3="5K1 1% 0603"
R18 R20 R22 R24: library part "RES # 47K 0603", Supplier Part Number 1=C2907042, Supplier 1=LCSC, Supplier 2=LCSC, Supplier 3=Generic, Supplier Part Number 2=C146207, Supplier Part Number 3="47K 1% 0603"
R19 R21 R23 R25: library part "RES # 1K 0603", Supplier Part Number 1=2689409, Supplier 1=Farnell, Supplier 2=LCSC, Supplier 3=Generic, Supplier Part Number 2=C21190, Supplier Part Number 3="1K 1% 0603"
SW2: library part "SW # TACT small 4.5x4.5mm SMD WS-TASV", Supplier Part Number 1=430181038816, Supplier 1=Wurth, Supplier 2=Mouser, Supplier 3=LCSC, Supplier Part Number 2=710-430181038816, Supplier Part Number 3=C174049
T1: library part "SL2301 P-Ch MOSFET -2.3A -20Vds", "=Description", Supplier Part Number 1=C181086, Supplier 1=LCSC
U1: library part "OP # LM324", "=Description", Supplier Part Number 1=C2977086, Supplier 1=LCSC, Supplier 2=LCSC, Supplier 3=LCSC, Supplier Part Number 2=C7432021, Supplier Part Number 3=C19723736
U2: library part "LDO # 3V3 300mA RT9078-33GJ5", "=Designator", Supplier Part Number 1=C110427, Supplier 1=LCSC
U6: library part "RISCV # CH32X035G8U6", Supplier Part Number 1=C7437027, Supplier 1=LCSC

## Free pads (board coordinates)
  round 3.2 hole 3.2 unplated mask+1.5: 0(-73,-57) 0(73,-57)
  round 3 hole 3 unplated mask+1.5: 0(-73,7) 0(73,7)

## Via types
v1: diameter 0.6, hole 0.25, Top Layer to Bottom Layer, tented top, 145 vias

## Nets (pads, with @x,y where several pads share a name; then routed paths per layer and width w, separated by ;. In a path a pad name is that pad's centre, name@x,y a point inside that pad or via, vN(x,y) a via of type N, cw(c..) or ccw(c..) an arc to the next point about the centre after c; other vN are vias at no path point)
3V3_AUX: P1.1
+3V3: C2.1 C6.1 C9.1 P4.2 P5.2 R1.1 R2.1 R3.1 R4.1 R5.1 R6.1 R7.1 R12.1 R13.1 R14.1 R15.1 R16.1 R17.1 U1.4 U2.5 U6.2 | length 454.9
  Top Layer w0.2: C9.1@41.25,6.35 41.321,6.32 cw(c40.166,5.165) 41.8,5.165 U6.2@41.8,3.975
  Top Layer w0.25: P5.2@12,5.75 12,11.154 ; C2.1@19.756,10.144 cw(c17.96,8.348) 20.5,8.348 U1.4@20.5,7.9 ; P4.2@30,5.75 30,11.154 ; R7.1@58.35,0.25 62.756,-4.156 ccw(c64.552,-2.36) 64.552,-4.9 v1(65.4,-4.9) ; R17.1@63.35,-16.5 R16.1@63.35,-15 R15.1@63.35,-13.5 66.106,-10.744 cw(c67.902,-12.54) 67.902,-10 R2.1@70.5,-10
  Top Layer w0.5: R3.1@-54.125,-43.5 -53.5,-44.125 -53.5,-59.25 ; U2.5@-12.825,5.95 C6.1@-11.241,5.95 ; C2.1@19.65,10.25 19.65,11.154 ; C9.1@41.25,6.35 cw(c40.307,7.293) 40.307,5.959 35.733,5.959 cw(c35.735,6.459) 35.662,5.964 cw(c36.04,8.476) 33.5,8.476 33.5,10.307 ccw(c32.652,10.307) 32.652,11.154 30,11.154 19.65,11.154 ; R6.1@57.875,-43.5 62.948,-43.5 cw(c62.948,-46.04) 64.744,-44.244 R13.1@70.5,-50 ; R2.1@70.5,-10 70.756,-10.256 cw(c68.96,-12.052) 71.5,-12.052 71.5,-27.948 cw(c68.96,-27.948) 70.756,-29.744 R5.1@70.5,-30 70.756,-30.256 cw(c68.96,-32.052) 71.5,-32.052 71.5,-47.948 cw(c68.96,-47.948) 70.756,-49.744 R13.1@70.5,-50 ; -53.5,-59.25 -54.698,-59.25 ccw(c-54.698,-61.79) -56.494,-59.994 -56.756,-60.256 cw(c-58.552,-58.46) -58.552,-61 -74.46,-61 cw(c-74.46,-58.46) -77,-58.46 -77,-52.552 cw(c-74.46,-52.552) -76.256,-50.756 R12.1@-75.5,-50 -75.244,-49.744 ccw(c-77.04,-47.948) -74.5,-47.948 -74.5,-32.052 ccw(c-77.04,-32.052) -75.244,-30.256 R4.1@-75.5,-30 -75.244,-29.744 ccw(c-77.04,-27.948) -74.5,-27.948 -74.5,-12.052 ccw(c-77.04,-12.052) -75.244,-10.256 R1.1@-75.5,-10 -72.844,-7.344 cw(c-71.048,-9.14) -71.048,-6.6 -58.052,-6.6 ccw(c-58.052,-4.06) -56.256,-5.856 -50.644,-0.244 cw(c-48.848,-2.04) -48.848,0.5 -33.606,0.5 ccw(c-33.606,3.774) -31.291,1.459 -24.625,8.125 cw(c-22.513,6.013) -22.513,9 -15.691,9 cw(c-15.691,5.279) -13.06,7.91 -11.171,6.021 C6.1@-11,5.85 -6.294,10.556 cw(c-4.849,9.111) -4.849,11.154 12,11.154 19.65,11.154 ; -53.5,-59.25 -17.875,-59.25 R14.1@-17.5,-58.875 12.323,-58.875 ccw(c12.323,-56.335) 14.119,-58.131 15.006,-57.244 cw(c16.802,-59.04) 16.802,-56.5 20.548,-56.5 cw(c20.548,-59.04) 22.344,-57.244 23.856,-58.756 ccw(c25.652,-56.96) 25.652,-59.5 40.823,-59.5 ccw(c40.823,-57.262) 42.406,-58.844 48.756,-52.494 cw(c50.552,-54.29) 50.552,-51.75 67.698,-51.75 ccw(c67.698,-49.21) 69.494,-51.006 R13.1@70.5,-50
  Bottom Layer w0.25: v1(65.4,-4.9) R2.1@70.5,-10
A2: C7.1 R12.2 U6.7 | length 147.2
  Top Layer w0.15: C7.1@-72.6,-52.5 -73,-52.5 R12.2@-73,-50 -73,-39.052 cw(c-70.46,-39.052) -72.256,-37.256 -68.994,-33.994 ccw(c-70.79,-32.198) -68.25,-32.198 -68.25,-30 cw(c-66.44,-30) -67.72,-28.72 -41.844,-2.844 cw(c-40.048,-4.64) -40.048,-2.1 25.349,-2.1 ccw(c25.349,1.04) 27.57,-1.18 32.306,3.556 cw(c34.064,1.798) 34.064,4.284 39.65,4.284 cw(c39.65,4.134) 39.8,4.134 U6.7@39.8,3.975
A3: C8.1 R3.2 U6.8 | length 136.8
  Top Layer w0.15: C8.1@-56.85,-50 -57.131,-49.719 cw(c-55.335,-47.923) -57.875,-47.923 R3.2@-57.875,-43.5 -57.875,-20.177 cw(c-55.335,-20.177) -57.597,-19.021 -41.82,-3.244 cw(c-39.801,-5.263) -39.801,-2.408 25.351,-2.408 ccw(c25.351,1.193) 27.897,-1.353 31.756,2.506 cw(c33.431,0.831) 33.431,3.2 U6.8@39.025,3.2
A4: C10.1 R14.2 U6.9 | length 167.7
  Top Layer w0.15: R14.2@-17.5,-55.125 -17.781,-55.406 cw(c-19.577,-53.61) -19.577,-56.15 C10.1@-23.5,-56.15 -26.806,-52.844 ccw(c-28.602,-54.64) -28.602,-52.1 -46.448,-52.1 cw(c-46.448,-49.56) -48.244,-51.356 -49.506,-50.094 cw(c-47.71,-48.298) -50.25,-48.298 -50.25,-13.302 cw(c-47.504,-13.302) -49.446,-11.36 -41.598,-3.512 cw(c-39.656,-5.454) -39.656,-2.708 25.434,-2.708 ccw(c25.434,1.176) 28.18,-1.57 31.806,2.056 cw(c33.602,0.26) 33.602,2.8 U6.9@39.025,2.8
A5: C11.1 R6.2 U6.10 | length 85
  Top Layer w0.15: U6.10@39.025,2.4 34.69,2.4 ccw(c34.69,0.59) 32.88,0.59 32.88,-1.491 ccw(c34.985,-1.491) 34.985,-3.596 41.066,-3.596 cw(c41.066,-5.842) 42.654,-4.254 48.556,-10.156 ccw(c50.352,-8.36) 50.352,-10.9 61,-10.9 cw(c61,-12.4) 62.5,-12.4 62.5,-34.073 cw(c59.96,-34.073) 61.756,-35.869 R6.2@54.125,-43.5 54.125,-47.923 ccw(c56.665,-47.923) 54.869,-49.719 C11.1@55.15,-50
A6: C12.1 R2.2 U6.11 | length 54.2
  Top Layer w0.15: U6.11@39.025,2 34.79,2 ccw(c34.79,0.46) 33.25,0.46 33.25,-1.5 ccw(c35.046,-1.5) 35.046,-3.296 41.134,-3.296 cw(c41.134,-6.102) 43.118,-4.118 45.006,-6.006 ccw(c46.802,-4.21) 46.802,-6.75 68.698,-6.75 cw(c68.698,-9.29) 70.494,-7.494 R2.2@73,-10 C12.1@73,-12.4
A8: C22.1 R13.2 U6.13 | length 89.9
  Top Layer w0.15: U6.13@39.025,1.2 37.95,1.2 ccw(c37.95,0) 36.75,0 36.75,-1.797 ccw(c37.902,-1.797) 37.902,-2.949 41.617,-2.949 cw(c41.617,-5.259) 43.251,-3.625 45.078,-5.453 ccw(c47.237,-3.294) 47.46,-6.339 71.153,-6.339 cw(c71.153,-8.72) 72.836,-7.036 73.256,-7.456 cw(c71.46,-9.252) 74,-9.252 74,-15.043 cw(c72.293,-15.043) 73.5,-16.25 72.994,-16.756 ccw(c74.79,-18.552) 72.25,-18.552 72.25,-29.326 cw(c72.1,-29.325) 72.221,-29.414 ccw(c73,-30) 72.22,-30.586 cw(c72.1,-30.675) 72.25,-30.674 72.25,-48.198 ccw(c74.79,-48.198) 72.994,-49.994 R13.2@73,-50 73,-52.5 C22.1@73.4,-52.5
A9: C13.1 R5.2 U6.16 | length 65
  Top Layer w0.15: U6.16@40.2,0.025 40.2,-0.321 cw(c39.24,-0.321) 39.919,-1 39.734,-1.185 39.57,-1.349 ccw(c40.22,-2) 39.3,-2 ccw(c39.935,-2) 39.935,-2.635 40.135,-2.635 41.864,-2.635 cw(c41.864,-4.714) 43.334,-3.244 45.346,-5.256 ccw(c47.142,-3.46) 47.142,-6 71.005,-6 ccw(c71.005,-5.853) 71.153,-5.853 71.955,-5.853 cw(c71.955,-8.393) 74.495,-8.393 74.495,-15.435 cw(c72.207,-15.435) 73.825,-17.052 73.744,-17.133 ccw(c75.54,-18.929) 73,-18.929 R5.2@73,-30 C13.1@73,-32.4
A10: C1.1 R1.2 U6.3 | length 126.5
  Top Layer w0.15: R1.2@-73,-10 -73,-12.5 C1.1@-72.6,-12.5 -71.594,-13.506 ccw(c-69.798,-11.71) -69.798,-14.25 -55.151,-14.25 ccw(c-55.151,-11.71) -53.355,-13.506 -42.268,-2.42 cw(c-40.048,-4.64) -40.048,-1.5 11.913,-1.5 ccw(c11.913,0.207) 13.12,-1 cw(c14.819,-2.698) 14.819,-0.297 16.223,-0.297 cw(c16.223,-1.658) 17.186,-0.695 ccw(c17.644,-0.237) 17.644,-0.885 25.31,-0.885 ccw(c25.31,1.022) 26.659,-0.327 31.415,4.429 cw(c33.961,1.883) 33.961,5.484 40.316,5.484 cw(c40.316,4.4) 41.4,4.4 U6.3@41.4,3.975
A13: C4.1 R4.2 U6.4 | length 140.3
  Top Layer w0.15: C4.1@-72.6,-32.75 -73,-32.75 R4.2@-73,-30 -73,-17.09 cw(c-70.46,-17.09) -70.46,-14.55 -55.151,-14.55 ccw(c-55.151,-11.71) -53.142,-13.718 -42.056,-2.632 cw(c-40.048,-4.64) -40.048,-1.8 12.172,-1.8 ccw(c12.172,0.078) 13.5,-1.25 cw(c15.028,-2.778) 15.028,-0.617 16.116,-0.617 cw(c16.116,-1.925) 17.041,-1 ccw(c17.488,-0.553) 17.488,-1.185 25.31,-1.185 ccw(c25.31,1.022) 26.871,-0.539 31.627,4.217 cw(c33.961,1.883) 33.961,5.184 40.216,5.184 cw(c40.216,4.4) 41,4.4 U6.4@41,3.975
CC1: J1.A5 R10.1 | length 8.3
  Top Layer w0.15: J1.A5@51.25,5.953 51.25,7.75 cw(c52.35,7.75) 52.35,8.85 R10.1@57.1,8.85
CC2: J1.B5 R11.1 | length 7.8
  Top Layer w0.15: R11.1@42.9,8.85 43,8.85 47.15,8.85 cw(c47.15,7.75) 48.25,7.75 J1.B5@48.25,5.953
COL0: CZ1.3 CZ1.5 CZ1.7 U6.18 | length 148
  Top Layer w0.15: CZ1.7@-46.25,-38.5 ccw(c-46.25,-39.5) -47.25,-39.5 -47.25,-43.198 ccw(c-44.71,-43.198) -46.506,-44.994 -44.494,-47.006 ccw(c-42.698,-45.21) -42.698,-47.75 -22,-47.75 ; CZ1.5@-21.25,-38.5 ccw(c-21.25,-39.25) -22,-39.25 -22,-47.75 ; v1(1.5,-14.1) 1.5,-38.5 ; v1(1.5,-12.5) 1.5,-11.052 cw(c4.04,-11.052) 2.244,-9.256 5.756,-5.744 cw(c7.552,-7.54) 7.552,-5 39.859,-5 cw(c39.859,-5.341) 40.1,-5.1 40.117,-5.117 ccw(c40.8,-4.434) 40.8,-5.4 v1(41.2,-5.4) ; CZ1.3@3.75,-38.5 3.052,-38.5 1.5,-38.5 ; U6.18@41,0.025 41,-1.109 v1(41.391,-1.5) ; -22,-47.75 -8.302,-47.75 ccw(c-8.302,-45.21) -6.506,-47.006 1.256,-39.244 ccw(c0.667,-38.655) 1.5,-38.655 1.5,-38.5
  Bottom Layer w0.15: v1(1.5,-14.1) v1(1.5,-12.5) ; v1(41.2,-5.4) ccw(c40.74,-4.94) 41.391,-4.94 41.391,-4.566 v1(41.391,-1.5)
COL1: CZ1.11 CZ1.13 CZ1.15 U6.19 | length 124.6
  Top Layer w0.15: -46.893,-10.834 -46.893,-12.921 ccw(c-46.316,-12.921) CZ1.15@-46.251,-13.494 ; -46.893,-10.834 cw(c-45.221,-10.834) -46.404,-9.652 -41.492,-4.74 cw(c-39.696,-6.536) -39.696,-3.996 -22.25,-3.996 ; CZ1.13@-21.25,-13.5 cw(c-21.25,-12.5) -22.25,-12.5 -22.25,-3.996 ; CZ1.11@3.75,-13.5 2.552,-13.5 cw(c2.552,-10.96) 0.756,-12.756 -4.556,-7.444 cw(c-2.76,-5.648) -5.3,-5.648 -5.3,-3.996 ; U6.19@41.4,0.025 41.484,-0.326 ccw(c41.8,-0.25) 41.523,-0.421 v1(42.195,-1.511) ; v1(42.186,-4.574) ccw(c40.791,-5.969) 40.791,-3.996 -5.3,-3.996 ; -22.25,-3.996 -5.3,-3.996
  Bottom Layer w0.15: v1(42.186,-4.574) 42.191,-4.57 42.191,-1.515 v1(42.195,-1.511)